# KiCad board GSTrackerOrderFile.kicad_pcb (continued)
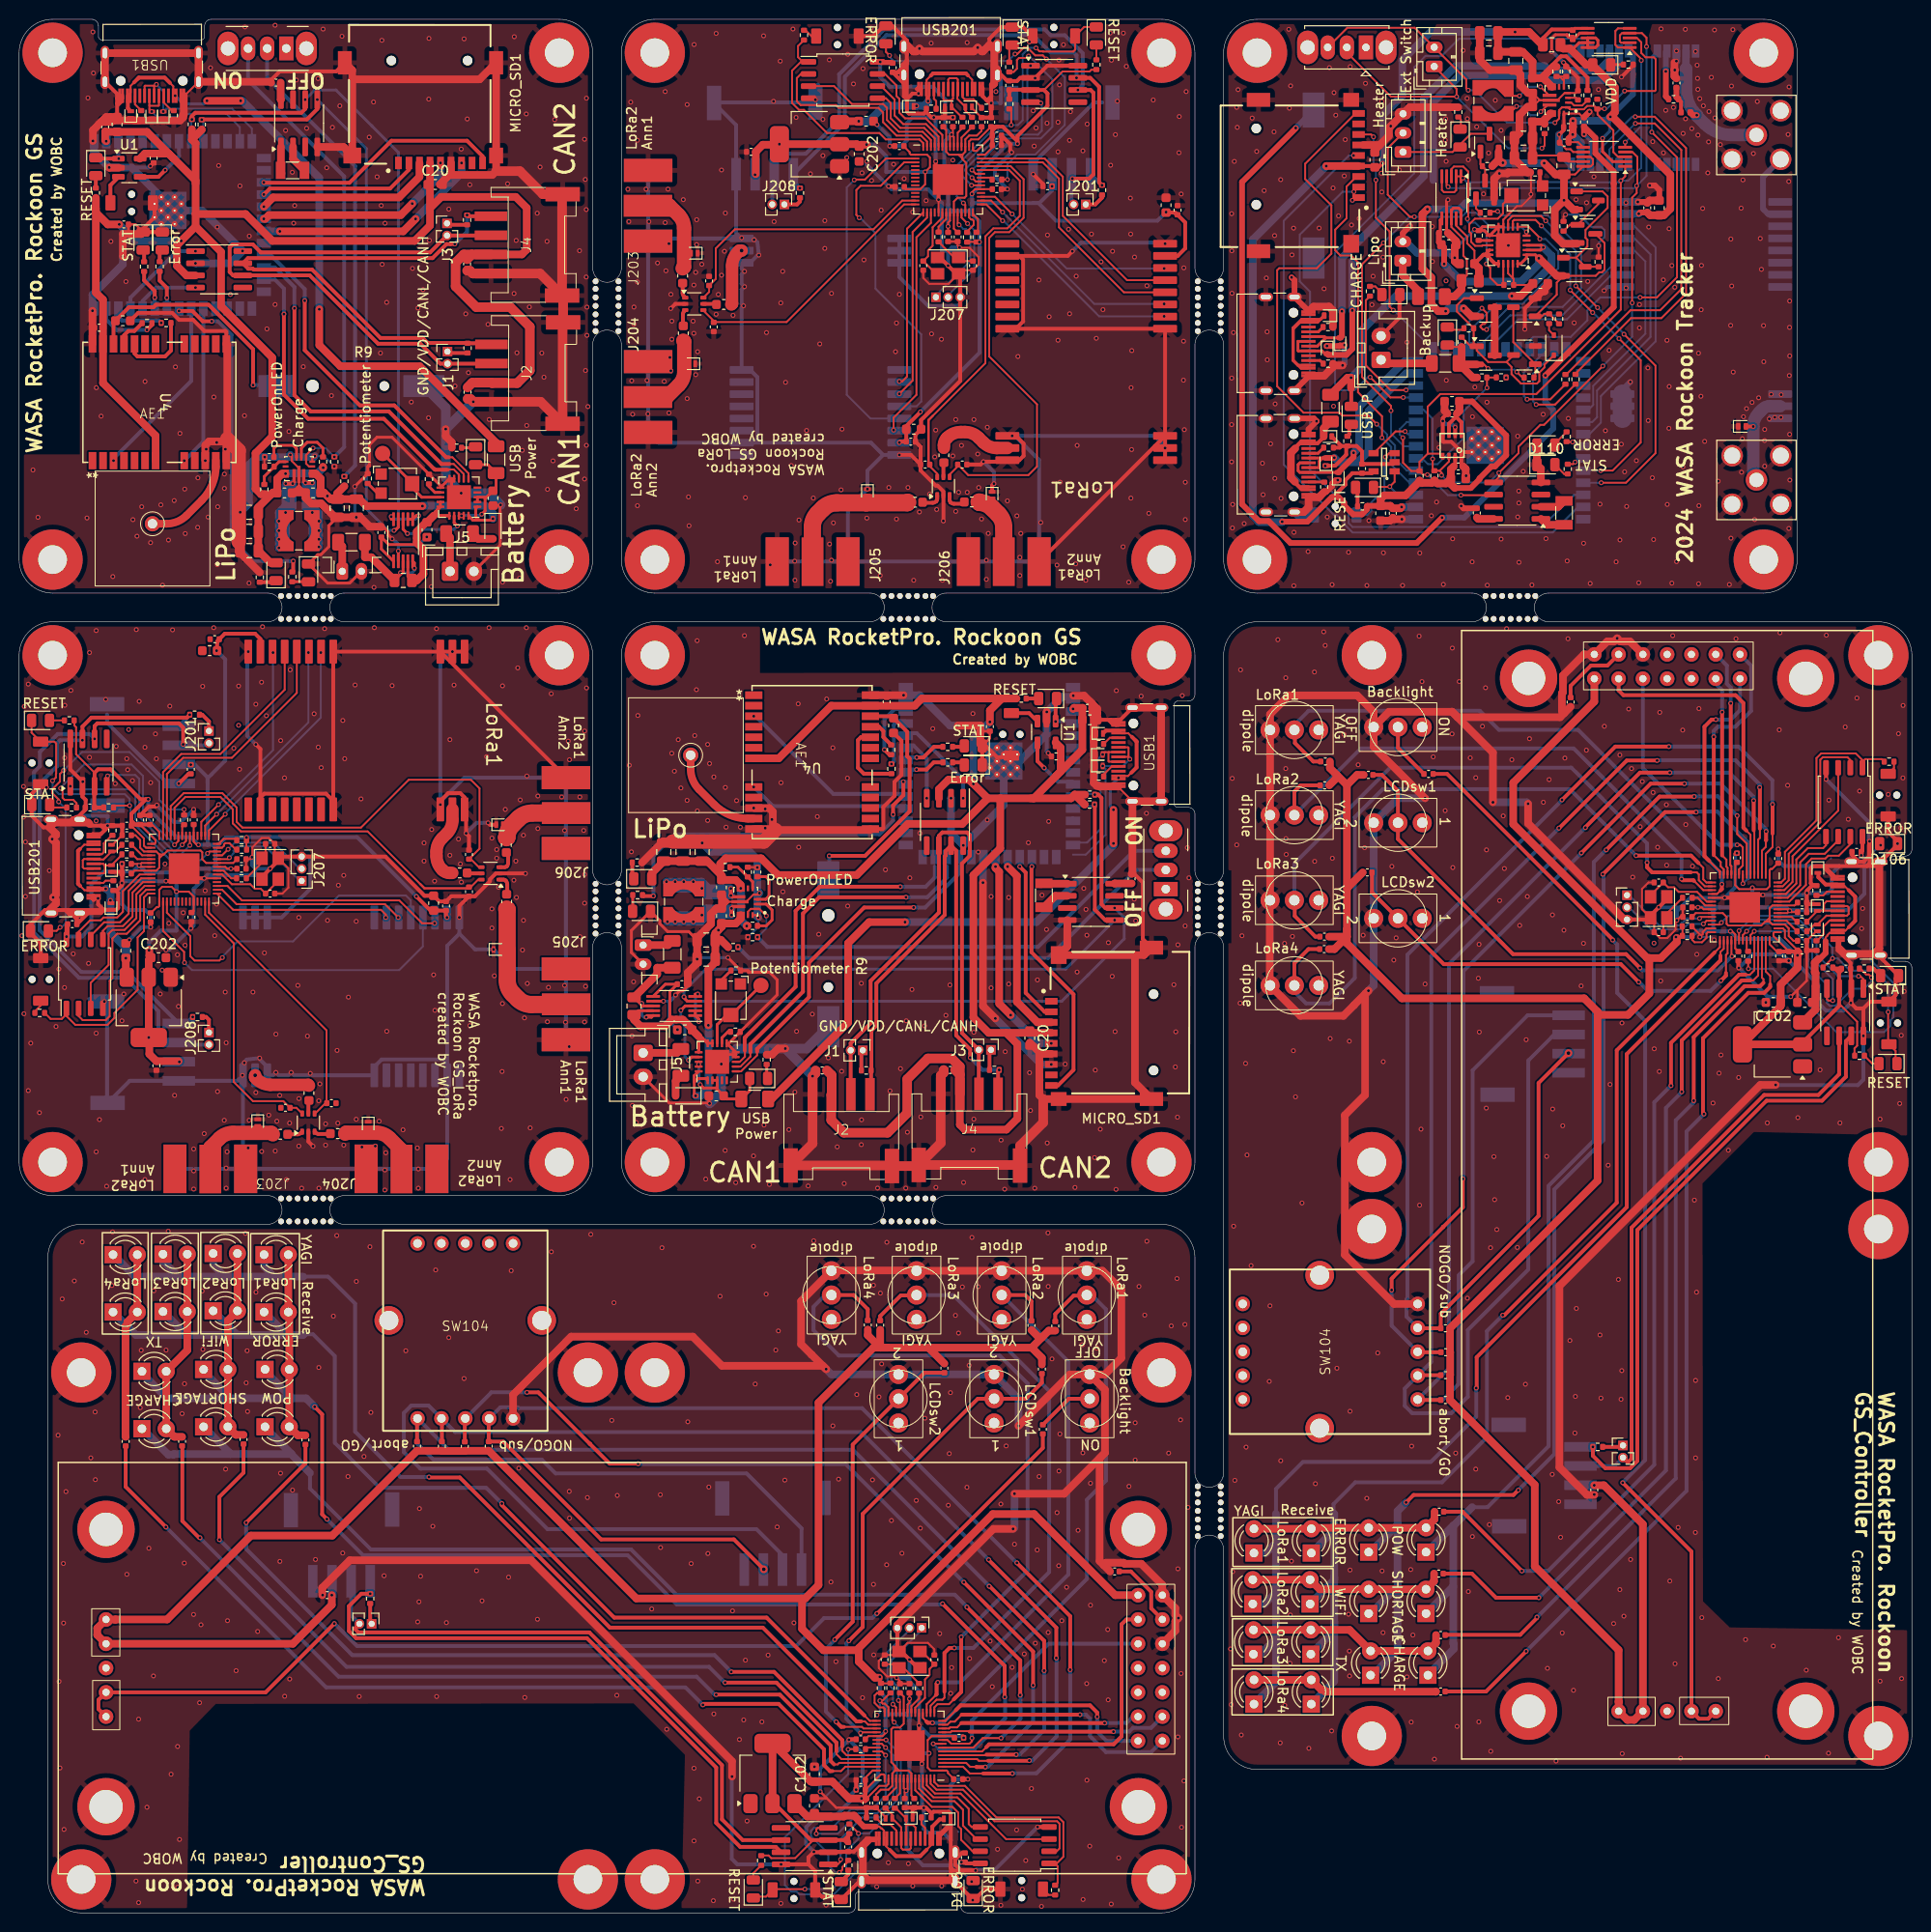
[diagram p0: board, top side]
## Routing (per net, layer and track width the routed paths; a pad name or vN(x,y) marks a point on that pad's centre or on a via; arc(x,y) is an arc through that point) (continued)
  Bottom w0.6: U103#3.13 182.97,177.63 182.43,178.17 182.43,181.52 J102.2 ; U103#3.3 167.72,159.26 v1(168.54,160.08) ; v1(138.66,163.94) 138.66,162.02 v1(138.45,161.81)
  Bottom w0.8: v1(77.33,104.07) 77.23,104.17 77.23,106.85 ; v1(84.42,56.85) 84.98,56.3 SW109#2.3 SW110#2.3 104.55,53.74 v1(104.55,50.93) ; v1(147.08,116.55) 144.26,116.55 SW110.3 SW109.3 141.7,96.97 v1(141.15,96.43) ; U103#3.11 168.02,178.9 v1(168.09,178.83) 168.16,178.9 v1(169.33,178.9) ; 77.23,106.85 v1(77.23,109.31) 77.23,110.15 76.42,110.95 72.38,110.95 v1(71.45,111.88) ; 77.23,106.85 v1(77.45,106.63) ; U106.1 144.66,145.73 v1(144.65,145.72) ; U3#2.40 7.84,167.69 v1(7.67,167.53) 7.67,169.2 10.85,172.38 v1(10.85,173.2) ; v1(104.12,43.82) 104.12,40.3 v1(103.98,40.15) ; U104#3.24 161.1,184.11 v1(161.1,185.94) ; v1(107.98,88.72) 106.93,88.72 v1(102.12,93.53) ; 100.87,109.4 100.83,109.36 v1(100.83,107.72) ; v1(23.12,146.45) 24.05,147.38 24.05,151.43 24.85,152.22 v1(25.69,152.22) 28.14,152.22 ; 28.14,152.22 30.83,152.22 v1(30.93,152.33) ; 28.14,152.22 v1(28.37,152.45) ; U3#2.41 11.76,182.5 v1(9.42,182.5) 7.84,184.08 U3#2.1 ; v1(157.85,115.97) 157.7,116.12 v1(154.17,116.12) ; v1(98.2,124.15) 97.38,124.15 94.2,127.32 v1(92.52,127.32) 92.69,127.16 92.75,127.16 ; v1(97.49,116.55) 97.48,116.54 97.48,112.93 v1(98.77,111.62) 103,115.85 103,119.44 ; U3#2.41 19.15,178 v1(23.38,173.78) 22.08,172.47 18.46,172.47 v1(18.45,172.49) ; v1(150.18,173.06) 149.66,173.58 147.28,173.58 147.27,173.57 146.24,173.57 145.07,174.74 144.75,174.74 ; USB102.S1 133.75,146.16 135.46,146.16 ; 104.4,120.14 107.5,123.24 v1(107.5,125.57) 109.09,127.16 110.25,127.16 ; v1(173.37,193.63) v1(173.37,194.68)
  Bottom w1: v1(47.51,158) 47.48,158 v1(44.62,155.15) ; v1(44.62,155.15) 44.62,157.37 BT1#2.2 ; v1(44.62,155.15) 44.62,150.07 v1(46.25,148.45) 49.14,148.45 v1(50.37,147.22) ; v1(80.15,90.38) 83,87.52 v1(83,87.49) ; v1(80.15,90.38) 75.07,90.38 v1(73.45,88.75) 73.45,85.85 v1(72.23,84.63) ; v1(80.15,90.38) 82.37,90.38 BT1.2
  Bottom w2: U103#3.1 U103#3.2 U103#3.3
  vias: v1(0.29,102.18) v1(0.53,126.14) v1(0.46,117.78) v1(0.46,114.58) v1(0.5,94.01) v1(0.66,111.98) v1(0.66,106.28) v1(0.96,128.48) v1(0.96,85.98) v1(1.21,90.94) v1(1.45,150.88) v1(1.98,145.93) v1(2.12,83.68) v1(2.86,117.68) v1(3.16,108.98) v1(3.86,92.68) v1(4.08,49.95) v1(4.16,98.68) v1(4.17,24.2) v1(4.27,15.15) v1(4.51,64.19) v1(4.63,36.53) v1(4.65,30.3) v1(4.74,96.75) v1(4.7,8.72) v1(4.78,126.26) v1(4.76,120.78) v1(4.9,44.05) v1(5.42,127.82) v1(5.66,100.28) v1(5.77,66.07) v1(6.6,70.15) v1(7.02,60.7) v1(7.1,145.85) v1(7.2,189.78) v1(7.26,99.28) v1(7.36,131.78) v1(7.36,120.83) v1(7.5,47.57) v1(7.73,196.68) v1(7.77,192.38) v1(7.95,52.38) v1(7.98,45.3) v1(8.08,159.47) v1(8.06,134.08) v1(8.06,91.98) v1(8.06,79.58) v1(8.4,82.95) v1(8.58,156.5) v1(9.06,126.88) v1(9.16,75.98) v1(9.6,174.78) v1(9.7,65.6) v1(9.8,139.72) v1(9.77,71.2) v1(10.06,118.08) v1(10.16,121.98) v1(10.76,93.28) v1(10.96,96.08) v1(11.17,170.57) v1(11.26,120.68) v1(11.27,35.4) v1(11.36,119.53) v1(11.9,145.68) v1(11.86,118.38) v1(12.23,3.32) v1(12.33,143.95) v1(12.26,134.18) v1(12.5,20.25) v1(12.5,1.07) v1(12.56,126.68) v1(12.67,52.82) v1(12.83,147.03) v1(12.77,58.82) v1(13.17,160.12) v1(13.16,121.88) v1(13.16,76.68) v1(13.38,11.05) v1(13.58,38.12) v1(13.75,143.28) v1(13.76,118.18) v1(14.05,24.78) v1(14.1,65.05) v1(14.26,123.28) v1(14.36,120.68) v1(14.83,147.22) v1(14.76,96.08) v1(15,138.82) v1(14.96,98.58) v1(15.26,109.68) v1(15.38,58.85) v1(15.62,143.55) v1(15.6,71.28) v1(15.66,103.48) v1(15.76,126.18) v1(15.9,14.5) v1(16.04,134.15) v1(16.23,147.68) v1(16.26,85.48) v1(16.35,161.65) v1(16.56,100.18) v1(16.58,17.4) v1(16.58,2.68) v1(16.66,94.78) v1(16.83,154.7) v1(16.77,7.68) v1(17.05,52.2) v1(17.16,104.58) v1(17.33,148.88) v1(17.3,55.32) v1(17.27,36.57) v1(17.38,144.22) v1(17.36,101.18) v1(18.26,79.88) v1(18.26,75.68) v1(18.25,31.2) v1(18.7,150.05) v1(18.67,144.88) v1(18.88,21.97) v1(19.02,30.12) v1(19.15,65.03) v1(19.2,128.25) v1(19.23,58.93) v1(19.36,81.48) v1(19.46,106.88) v1(19.58,153.05) v1(19.77,145.95) v1(20.02,192.93) v1(20.38,158.5) v1(20.36,134.38) v1(20.46,102.18) v1(20.73,176.28) v1(20.67,153.75) v1(20.73,140.97) v1(20.66,105.48) v1(20.77,147.03) v1(20.76,85.88) v1(20.88,182.7) v1(21.48,150.45) v1(21.48,148.95) v1(21.46,82.88) v1(21.58,153.05) v1(21.56,96.28) v1(21.6,46.4) v1(21.66,90.98) v1(21.66,75.78) v1(21.76,79.58) v1(21.8,30.55) v1(22.46,121.78) v1(22.7,25.32) v1(22.96,128.28) v1(23.1,180.57) v1(23.06,119.58) v1(23.62,197.2) v1(23.58,156.55) v1(23.67,71.05) v1(23.75,55.43) v1(23.85,58.78) v1(23.9,52.43) v1(24.05,139.05) v1(23.96,79.98) v1(24.08,175.32) v1(24.06,82.88) v1(24.46,96.28) v1(24.76,126.38) v1(24.76,85.78) v1(24.77,64.9) v1(24.95,29.43) v1(25.36,128.68) v1(25.37,79.62) v1(25.46,134.48) v1(25.66,100.38) v1(25.92,165.62) v1(25.86,125.18) v1(26.12,83.41) v1(26.77,197.38) v1(26.77,168.18) v1(26.79,79.66) v1(26.86,91.88) v1(26.96,82.78) v1(27.26,85.48) v1(27.27,36.75) v1(27.36,122.58) v1(27.35,45.97) v1(27.76,118.68) v1(27.77,22.65) v1(27.88,186.38) v1(27.96,76.68) v1(28.23,154.9) v1(28.29,82.59) v1(28.3,24.45) v1(28.36,129.98) v1(28.58,182) v1(28.6,44.2) v1(28.73,176.68) v1(28.83,178.53) v1(29,191.65) v1(29.16,96.98) v1(29.26,104.08) v1(29.27,85.14) v1(29.26,80.18) v1(29.56,75.78) v1(29.73,161.68) v1(30.08,186.6) v1(30.16,91.68) v1(30.86,125.38) v1(31,36.95) v1(31.27,191.8) v1(31.29,121.89) v1(31.34,84.91) v1(31.36,75.78) v1(31.35,57.03) v1(31.46,86.68) v1(31.6,119.75) v1(31.8,196.97) v1(31.96,134.28) v1(32.06,82.5) v1(32.06,80.28) v1(32.17,182.47) v1(32.26,103.78) v1(32.67,158.65) v1(32.77,186.7) v1(32.88,62.4) v1(33.23,70.82) v1(33.26,90.18) v1(33.34,82.59) v1(33.39,107.45) v1(33.55,188.95) v1(33.77,196.22) v1(33.86,124.68) v1(33.85,37.62) v1(33.96,108.48) v1(33.96,80.28) v1(34.06,120.68) v1(34.44,95.75) v1(34.4,45.62) v1(35.14,128.39) v1(35.26,103.68) v1(35.26,82.98) v1(35.27,66.03) v1(35.58,22.62) v1(35.76,116.48) v1(35.86,80.08) v1(36.08,47.72) v1(36.62,185.68) v1(36.7,69.65) v1(36.8,52.32) v1(37.08,189.35) v1(37.12,138.6) v1(37.16,134.38) v1(37.26,80.18) v1(37.45,181.53) v1(37.66,82.78) v1(37.8,163.1) v1(37.88,178.53) v1(37.95,195.8) v1(37.98,172.38) v1(38.17,35.25) v1(38.27,176.68) v1(38.26,75.58) v1(38.36,79.48) v1(38.45,168.4) v1(38.46,92.18) v1(39.02,128.32) v1(40.16,81.88) v1(40.45,58.78) v1(41.02,157.97) v1(41.15,171.95) v1(41.73,167.8) v1(41.66,79.98) v1(41.7,30.43) v1(41.76,75.78) v1(41.83,32.53) v1(41.88,42.28) v1(42,35.2) v1(42.25,169.72) v1(42.36,111.88) v1(42.36,109.98) v1(42.83,156.32) v1(42.88,196) v1(42.85,189.65) v1(42.92,174.88) v1(43.12,138.68) v1(43.16,113.28) v1(43.27,40.43) v1(43.36,98.08) v1(43.46,107.88) v1(43.49,94.38) v1(43.58,67.22) v1(43.66,134.28) v1(43.67,22.62) v1(44.7,30.35) v1(44.95,178.15) v1(44.95,60.15) v1(45.06,122.68) v1(45.06,110.58) v1(45.49,128.38) v1(45.6,159.65) v1(45.96,112.28) v1(46.16,109.68) v1(46.25,184.43) v1(46.26,107.78) v1(46.55,195.95) v1(46.55,55.88) v1(46.73,167.2) v1(46.88,187.57) v1(47,161.05) v1(47.15,180.7) v1(47.16,92.78) v1(47.32,76.45) v1(47.85,35.78) v1(48.42,32.62) v1(48.9,120.9) v1(49.05,166.1) v1(49.17,156.15) v1(49.16,134.38) v1(49.46,112.38) v1(49.46,104.98) v1(49.46,102.98) v1(49.71,97.98) v1(49.77,124.82) v1(49.96,111.18) v1(49.96,110.28) v1(50.15,107.25) v1(50.45,82.02) v1(50.52,87.97) v1(50.58,139.15) v1(50.57,128.3) v1(50.56,95.08) v1(50.86,115.38) v1(51.1,180.8) v1(51.2,35.1) v1(51.36,76.68) v1(51.48,67.15) v1(51.8,196.18) v1(51.77,169.32) v1(51.76,107.98) v1(51.88,141.93) v1(52,174.88) v1(51.96,109.98) v1(52.02,106.18) v1(52.08,163.12) v1(52.16,130.18) v1(52.27,46.5) v1(52.35,139.55) v1(52.42,116.38) v1(52.62,152.93) v1(52.6,145.97) v1(52.66,100.68) v1(52.75,112.68) v1(52.76,103.78) v1(52.86,93.58) v1(52.9,22.53) v1(53.05,188.1) v1(53.1,155.53) v1(53.06,134.38) v1(53.12,118.88) v1(53.16,97.18) v1(53.38,167.93) v1(53.46,82.08) v1(54.2,177.72) v1(54.23,30.7) v1(54.26,116.78) v1(54.26,113.38) v1(54.5,182.55) v1(54.67,163.1) v1(54.9,160.57) v1(55.23,174.78) v1(55.27,148.85) v1(55.26,93.18) v1(55.37,96.78) v1(55.66,127.48) v1(55.67,69.12) v1(55.85,151.82) v1(56.02,187.5) v1(56.76,116.68) v1(57.06,113.18) v1(57.06,96.98) v1(57.16,93.13) v1(57.22,85.05) v1(57.44,122.53) v1(57.54,90.57) v1(57.55,44.07) v1(57.57,120.57) v1(57.58,41.28) v1(58.27,146.82) v1(58.62,173.8) v1(58.66,116.68) v1(58.66,102.08) v1(59.15,185.45) v1(59.15,149.93) v1(59.06,113.18) v1(59.23,181.25) v1(59.16,123.58) v1(59.16,108.58) v1(59.16,105.58) v1(59.15,93.16) v1(59.33,178.1) v1(59.33,171.05) v1(59.25,161.28) v1(59.26,96.88) v1(59.35,189.75) v1(59.4,167.9) v1(59.4,164.95) v1(59.35,153.45) v1(59.36,128.08) v1(59.5,157.5) v1(59.45,43.43) v1(59.8,70.95) v1(62,51.5) v1(62.23,63.8) v1(62.52,22.75) v1(62.58,43.65) v1(63.68,180.24) v1(63.78,176.84) v1(63.83,120) v1(63.98,189.34) v1(64.05,110.95) v1(64.08,160.2) v1(64.11,91.7) v1(64.15,84.43) v1(64.18,156.7) v1(64.32,167.91) v1(64.32,166.11) v1(64.28,97.36) v1(64.45,151.18) v1(64.55,82.65) v1(64.68,185.34) v1(64.68,170.54) v1(64.68,147.14) v1(64.73,125.2) v1(65.98,114.28) v1(66.17,31.78) v1(66.78,172.52) v1(66.92,83.12) v1(67.08,43.72) v1(67.1,38.2) v1(67.25,69.55) v1(67.48,160.14) v1(67.58,190.44) v1(67.58,176.74) v1(67.66,171.71) v1(67.75,19.2) v1(67.88,180.24) v1(67.98,174.54) v1(67.98,156.84) v1(68.08,162.64) v1(68.18,169.24) v1(68.18,161.24) v1(68.28,166.44) v1(68.28,164.54) v1(68.27,121.25) v1(68.55,119.38) v1(68.95,122.68) v1(69.23,117.62) v1(69.48,179.14) v1(69.88,189.08) v1(69.88,158.34) v1(69.88,116.32) v1(70.02,148.05) v1(69.95,51.35) v1(70.08,145.04) v1(70.3,36.53) v1(70.5,166.44) v1(70.61,195.36) v1(70.59,170.21) v1(70.59,165.16) v1(70.6,15.12) v1(70.6,7.53) v1(70.67,123.1) v1(70.78,171.54) v1(70.78,160.84) v1(70.88,177.04) v1(70.88,174.44) v1(70.92,133.03) v1(70.85,127.9) v1(70.98,163.24) v1(70.95,115.22) v1(70.98,82.4) v1(71,3.32) v1(71.15,11.93) v1(71.41,172.38) v1(71.83,76.72) v1(72.02,122.18) v1(72.02,114.22) v1(72.05,37.57) v1(72.15,44.53) v1(72.23,120.18) v1(72.62,1.28) v1(72.67,118.78) v1(72.67,20.8) v1(72.92,196.52) v1(72.91,167.16) v1(73.05,141.28) v1(73.14,169.23) v1(73.33,64.47) v1(73.48,182.24) v1(73.48,171.24) v1(73.78,173.74) v1(73.88,177.74) v1(73.88,117.68) v1(73.85,79.72) v1(73.95,113.53) v1(74.62,31.57) v1(74.68,167.04) v1(74.75,1.43) v1(75.05,116.3) v1(74.96,76.36) v1(75.35,18.12) v1(75.45,113.53) v1(75.8,20.18) v1(75.88,133.55) v1(75.98,147.98) v1(75.98,26.42) v1(76.15,9.6) v1(76.83,79.15) v1(76.83,69.7) v1(77,55.3) v1(77.7,19.97) v1(77.88,196.27) v1(77.92,82.38) v1(78.05,115.43) v1(78.05,113.43) v1(78.15,64.7) v1(78.18,165.24) v1(78.35,26.95) v1(78.49,76.16) v1(78.58,140.96) v1(78.75,114.33) v1(78.92,189.42) v1(78.98,176.84) v1(79.15,58.85) v1(79.3,40.35) v1(79.42,60.85) v1(79.62,193.62) v1(79.68,168.34) v1(79.7,118.18) v1(79.69,0.99) v1(79.88,171.64) v1(79.9,106.78) v1(80.1,45.25) v1(80.18,160.04) v1(80.52,81.9) v1(80.78,151.34) v1(80.95,196.98) v1(81.05,30.32) v1(81.13,141.34) v1(81.15,85.82) v1(81.18,143.24) v1(81.16,139.35) v1(81.28,187.74) v1(81.33,92.18) v1(81.5,126.43) v1(81.55,111.43) v1(81.58,145.64) v1(82.38,155.01) v1(82.53,76.01) v1(82.78,181.84) v1(82.98,93.97) v1(83.08,147.94) v1(83.12,70.28) v1(83.5,114.62) v1(83.65,102.32) v1(83.75,164.06) v1(84.08,187.54) v1(84.08,183.74) v1(84.28,176.94) v1(84.28,174.04) v1(84.42,0.81) v1(84.48,126.93) v1(84.65,89.4) v1(84.75,193.76) v1(84.77,143.13) v1(84.88,139.24) v1(84.92,34.6) v1(84.98,169.34) v1(84.98,141.44) v1(85.12,121.82) v1(85.12,50.93) v1(85.18,145.34) v1(85.45,26.28) v1(85.58,80.1) v1(85.73,45.35) v1(85.98,148.79) v1(86.05,88) v1(86.08,155.14) v1(86.31,76.26) v1(86.58,183.54) v1(86.65,118.65) v1(86.68,194.34) v1(86.67,105.28) v1(87.28,191.24) v1(87.62,54.2) v1(88.1,97.2) v1(88.12,82.93) v1(88.1,80.32) v1(88.18,181.94) v1(88.23,22.5) v1(88.28,192.84) v1(88.38,172.84) v1(88.68,145.84) v1(89.11,197.07) v1(89.18,181.14) v1(89.27,45.28) v1(89.38,65.62) v1(89.38,34.35) v1(89.4,26.97) v1(89.71,2.74) v1(89.8,75.78) v1(89.95,53.95) v1(90.08,139.84) v1(90.1,64.8) v1(90.18,178.04) v1(90.23,57.4) v1(90.62,109.07) v1(90.75,36.4) v1(90.77,70.12) v1(90.92,5.25) v1(90.98,149.04) v1(91.1,85.95) v1(91.25,41.03) v1(91.48,182.84) v1(91.68,163.24) v1(91.78,166.24) v1(91.78,145.74) v1(92.08,169.24) v1(92.2,88.28) v1(92.35,37.6) v1(92.58,181.34) v1(92.75,75.78) v1(92.8,93.28) v1(92.92,81.62) v1(92.98,149.04) v1(93.02,5.15) v1(93.17,108.22) v1(93.4,96.55) v1(93.48,177.84) v1(93.49,2.81) v1(93.58,139.34) v1(93.85,43.12) v1(94.17,146.48) v1(94.23,112.9) v1(94.33,83.22) v1(94.27,40.22) v1(94.73,92.75) v1(94.75,51.72) v1(94.88,179.04) v1(95.25,148.35) v1(95.41,195.5) v1(95.45,165.11) v1(95.58,123.82) v1(95.78,152.24) v1(95.88,155.04) v1(95.9,75.86) v1(95.98,146.74) v1(96.3,29.2) v1(96.48,164.54) v1(96.51,2.81) v1(96.58,139.34) v1(96.95,93.85) v1(97.2,42.62) v1(97.3,48.03) v1(97.38,97.03) v1(97.42,54.4) v1(97.55,25.65) v1(97.45,22.95) v1(97.68,183.27) v1(97.68,152.34) v1(97.98,156.14) v1(97.98,146.54) v1(97.95,62.47) v1(98.28,148.54) v1(98.27,60.62) v1(98.58,153.44) v1(98.67,65.45) v1(98.8,76.38) v1(99.15,44.5) v1(99.17,195.56) v1(99.18,148.54) v1(99.38,57.25) v1(99.42,26.6) v1(99.67,70.62) v1(99.77,125.4) v1(99.77,79.78) v1(99.76,1.34) v1(99.88,156.14) v1(99.88,92.07) v1(99.88,83) v1(100.28,152.54) v1(100.33,110.93) v1(100.33,65.47) v1(100.38,149.04) v1(100.68,145.75) v1(101.18,141.44) v1(101.18,139.44) v1(101.28,155.34) v1(101.27,114.28) v1(101.38,144.24) v1(101.58,28.43) v1(101.67,106.28) v1(101.67,96.72) v1(101.8,23.65) v1(102.35,6.65) v1(102.73,80.8) v1(102.7,42.75) v1(102.7,0.79) v1(103.15,90.05) v1(103.1,75.68) v1(103.25,48.82) v1(103.38,147.64) v1(103.52,106.18) v1(103.52,97.12) v1(103.88,25.68) v1(104.12,38.55) v1(104.38,146.08) v1(104.35,8.68) v1(104.48,162.74) v1(104.68,141.74) v1(104.68,139.84) v1(104.78,144.24) v1(104.95,2.47) v1(105.15,27.07) v1(105.3,5.47) v1(105.58,111.9) v1(105.68,195.64) v1(105.7,87.85) v1(105.8,83.9) v1(105.9,13) v1(106.08,188.44) v1(106.18,184.74) v1(106.25,75.78) v1(106.3,28.2) v1(106.38,186.64) v1(106.52,97.55) v1(106.5,37.95) v1(106.68,170.74) v1(106.7,45.62) v1(106.88,145.38) v1(107,106.43) v1(106.95,0.68) v1(107.53,187.14) v1(107.48,102.82) v1(107.55,80.5) v1(107.58,175.44) v1(107.62,71.1) v1(107.65,65.5) v1(107.65,29.32) v1(107.75,166.9) v1(107.7,114.12) v1(108.05,57.93) v1(108.58,140.93) v1(108.58,41.85) v1(108.68,187.24) v1(108.68,184.14) v1(108.68,164.44) v1(108.75,36.3) v1(108.78,193.74) v1(108.83,191.14) v1(108.77,46.2) v1(108.9,149.6) v1(108.88,50.07) v1(109.08,30.55) v1(109.25,195.34) v1(109.42,88.75) v1(109.58,34.05) v1(109.78,176.04) v1(109.88,185.34) v1(109.89,167.21) v1(109.98,188.34) v1(110.52,141.06) v1(110.45,75.85) v1(110.58,171.14) v1(110.68,153.44) v1(110.67,98.38) v1(110.77,40) v1(111.23,59.4) v1(111.28,184.24) v1(111.27,48.1) v1(111.3,1.4) v1(111.38,107.12) v1(111.58,139.34) v1(111.6,104.93) v1(111.73,187.04) v1(111.7,102.22) v1(111.67,23.97) v1(111.7,13.88) v1(112,6.97) v1(112.08,44.93) v1(112.08,32.18) v1(112.18,175.54) v1(112.5,78.97) v1(112.58,88.12) v1(112.68,164.64) v1(112.73,59.05) v1(112.83,148.72) v1(113.1,81.95) v1(113.18,172.64) v1(113.38,167.64) v1(113.52,26.38) v1(113.88,29.62) v1(113.92,22.28) v1(113.95,101.45) v1(114.14,196.56) v1(114.18,182.74) v1(114.26,193.72) v1(114.25,0.93) v1(114.38,173.74) v1(114.35,97.93) v1(114.65,92.15) v1(114.68,185.94) v1(114.75,75.65) v1(114.77,127.8) v1(114.88,189.44) v1(115.02,5.75) v1(115.51,196.55) v1(115.48,142.84) v1(115.83,193.08) v1(116.08,139.14) v1(116.1,44.6) v1(116.25,179.3) v1(116.28,175.54) v1(116.33,159.48) v1(116.3,147.93) v1(116.39,163.36) v1(116.38,153.01) v1(116.65,106) v1(116.68,173.14) v1(116.75,51.25) v1(116.75,47.35) v1(116.8,103.72) v1(117.15,65.5) v1(117.38,127.22) v1(117.75,62.5) v1(117.92,114.97) v1(117.98,170.14) v1(117.98,70.22) v1(118.18,146.34) v1(118.64,189.56) v1(120.25,48.07) v1(120.52,61.38) v1(120.8,97.05) v1(121,92.12) v1(120.95,88.45) v1(121.12,66.32) v1(121.23,101.22) v1(121.17,83.2) v1(121.23,35.97) v1(121.23,18.4) v1(121.33,184.05) v1(121.36,187.83) v1(121.5,51.55) v1(121.55,25.03) v1(121.56,179.73) v1(121.6,8.95) v1(121.67,127.28) v1(121.84,172.01) v1(121.81,164.34) v1(121.8,160.26) v1(121.89,155.09) v1(121.85,13.8) v1(121.99,149.59) v1(121.99,145.69) v1(121.98,103.2) v1(121.95,61.53) v1(122.08,190.44) v1(122.2,111.38) v1(122.27,42.4) v1(122.38,108.22) v1(126.73,27.6) v1(126.84,177.67) v1(126.84,155.62) v1(126.84,151.72) v1(126.8,21.78) v1(126.86,173.79) v1(126.88,169.35) v1(126.85,160.48) v1(126.92,144.81) v1(126.9,118.62) v1(127.03,165.24) v1(126.95,147.27) v1(127.05,71.8) v1(126.95,35.68) v1(127.12,183.14) v1(127.17,45.22) v1(127.37,188.79) v1(127.43,186.7) v1(127.38,111.68) v1(127.51,190.64) v1(127.73,95.12) v1(127.77,129.97) v1(127.92,102.17) v1(127.85,18.6) v1(128.15,145.27) v1(128.3,88.82) v1(128.35,48.7) v1(128.45,79.25) v1(128.88,67.68) v1(128.99,187.67) v1(129.46,184.18) v1(130.06,151.58) v1(130.13,148.29) v1(130.24,180.08) v1(130.47,170.95) v1(130.55,165.32) v1(130.57,162.39) v1(130.77,55.57) v1(130.92,153.61) v1(130.85,63.47) v1(131.28,186.23) v1(131.33,175.38) v1(131.39,157.78) v1(131.36,149.99) v1(131.67,133.12) v1(131.92,17.78) v1(131.97,181.23) v1(132.01,147.91) v1(131.98,47.28) v1(132.38,101.38) v1(132.4,21.7) v1(132.5,129.15) v1(132.5,119.65) v1(132.52,112.32) v1(132.55,110.68) v1(132.82,196.95) v1(132.88,188.7) v1(133.01,191.04) v1(132.98,31.15) v1(132.95,26.1) v1(133.15,173.36) v1(133.1,36.78) v1(133.2,102.1) v1(133.32,176.16) v1(133.3,90.15) v1(133.36,144.36) v1(133.35,138.77) v1(133.52,85.32) v1(134.2,74.22) v1(134.84,142.34) v1(134.92,17.21) v1(135.5,129.75) v1(135.52,109.95) v1(135.6,44.88) v1(135.99,176.17) v1(136.51,169.82) v1(136.48,133.95) v1(136.62,132.53) v1(136.84,145.95) v1(137.07,192.94) v1(137.15,91.43) v1(137.3,19.03) v1(137.35,138.88) v1(137.38,110.28) v1(137.55,190.33) v1(137.45,180.36) v1(137.73,187.97) v1(137.85,56.95) v1(138.02,177.44) v1(138.62,181.62) v1(138.6,123.22) v1(138.72,185.42) v1(138.95,124.72) v1(139.07,142.27) v1(139.15,91.15) v1(139.08,31.22) v1(139.15,27.38) v1(139.24,193.05) v1(139.23,52.45) v1(139.23,35.85) v1(139.17,24.78) v1(139.38,176.49) v1(140.08,120.05) v1(140.18,177.16) v1(140.6,102.22) v1(140.75,111.38) v1(140.84,191.3) v1(140.99,138.8) v1(140.98,43.35) v1(141.2,145.58) v1(141.52,168.15) v1(141.64,171.13) v1(142.12,58.55) v1(142.55,189.41) v1(142.49,181.9) v1(142.55,179.94) v1(142.58,35.75) v1(142.67,173.12) v1(142.72,142.21) v1(142.7,89) v1(142.67,29.3) v1(143.6,109.43) v1(143.8,99.62) v1(144.05,101.95) v1(144.37,182.25) v1(144.72,138.8) v1(145.19,164.23) v1(145.17,24.68) v1(145.58,35.9) v1(145.62,19.95) v1(145.67,48.8) v1(145.8,29.05) v1(146.27,106.75) v1(146.52,142.19) v1(146.45,133.5) v1(146.5,74) v1(146.65,81.95) v1(146.75,128.75) v1(147.08,97.12) v1(147.73,146.09) v1(147.83,176.33) v1(147.85,172.68) v1(147.92,120.88) v1(148.05,16.07) v1(148.28,147.52) v1(148.53,153.22) v1(148.99,138.91) v1(149.23,187.59) v1(149.19,185.36) v1(149.17,115.25) v1(149.28,183.15) v1(149.3,160.25) v1(149.92,132.25) v1(149.9,123.28) v1(149.96,143.68) v1(149.98,109.3) v1(150.27,48.07) v1(150.42,19.5) v1(150.65,128.75) v1(151.05,194.74) v1(151.47,189.73) v1(151.5,187.6) v1(151.5,64.28) v1(151.6,183.31) v1(151.6,33.6) v1(151.8,120.78) v1(152.03,156.44) v1(152,141.27) v1(152.02,39.35) v1(152.28,159.54) v1(152.38,118.7) v1(152.38,46.4) v1(152.47,186.76) v1(152.65,97.72) v1(152.73,101.28) v1(152.75,92.1) v1(152.7,19.97) v1(153.08,124.07) v1(153.19,179.74) v1(153.4,128.1) v1(153.55,157.96) v1(153.5,111.15) v1(153.48,84.15) v1(153.58,138.83) v1(153.72,184.02) v1(153.8,40.6) v1(153.92,69.55) v1(153.95,16.9) v1(154.27,79.07) v1(154.42,189.53) v1(154.35,74.57) v1(154.58,71.45) v1(154.88,105.85) v1(155.03,186.39) v1(155.03,143.65) v1(155.25,114.7) v1(155.38,109.2) v1(155.56,160.53) v1(155.6,134.28) v1(155.73,53.88) v1(156.15,120.57) v1(156.73,69.57) v1(156.76,154.41) v1(156.77,145.96) v1(156.88,148.67) v1(156.89,147.42) v1(156.9,141.22) v1(156.98,103.25) v1(157.34,150.73) v1(157.65,91.3) v1(157.58,55.28) v1(157.77,106.28) v1(158,122.78) v1(158.25,138.85) v1(159.43,156.69) v1(159.45,116.12) v1(159.72,143.7) v1(159.8,79.1) v1(159.88,25.57) v1(160.05,118.5) v1(160.4,104.35) v1(160.42,84.05) v1(160.38,45.85) v1(160.77,15.88) v1(161.05,43) v1(161.25,39.28) v1(161.42,29.28) v1(161.48,82.3) v1(161.6,102.75) v1(161.7,120.75) v1(161.94,141.36) v1(162.02,133.22) v1(162.06,156.27) v1(162.23,59.85) v1(162.6,23.28) v1(162.67,166.26) v1(162.75,50.18) v1(162.8,54) v1(162.87,179.14) v1(162.9,63.2) v1(163.4,96.93) v1(163.65,101.38) v1(163.66,143.21) v1(163.97,178.82) v1(163.95,121.57) v1(164.09,170.59) v1(164.35,139.01) v1(164.74,181.53) v1(165.22,190.65) v1(165.38,147.3) v1(165.38,60.43) v1(165.48,53.82) v1(165.83,124.07) v1(165.94,154.98) v1(166.23,78.18) v1(166.33,163.39) v1(166.42,86.62) v1(166.8,30.25) v1(167.06,141.27) v1(167.3,66.22) v1(167.46,143.56) v1(167.45,121.07) v1(167.45,33.8) v1(167.61,153.57) v1(167.65,56.7) v1(167.58,53.7) v1(167.67,93.05) v1(167.7,16.65) v1(167.88,31.03) v1(167.95,150.68) v1(168.16,147.06) v1(168.38,125.88) v1(168.58,36.95) v1(168.67,119.65) v1(168.8,108.3) v1(169.18,151.85) v1(169.43,139.08) v1(169.51,168.17) v1(169.5,165.73) v1(169.58,113.57) v1(169.8,118.3) v1(170.38,161.55) v1(170.42,156.04) v1(170.47,176.27) v1(170.89,185.21) v1(170.85,150.06) v1(170.92,117.15) v1(170.98,143.6) v1(171.05,90.35) v1(171.4,111.43) v1(171.62,125.53) v1(171.58,87.98) v1(171.73,97.45) v1(171.76,197) v1(172.01,184.03) v1(172,170.75) v1(172.25,188.48) v1(172.33,115.88) v1(172.38,164.43) v1(172.41,147.27) v1(172.35,109.55) v1(172.6,176.1) v1(172.61,159.6) v1(172.58,155.23) v1(172.67,34.7) v1(172.89,172.25) v1(172.89,139.04) v1(172.98,133.55) v1(173.06,188.78) v1(173.19,169.98) v1(173.23,26.05) v1(173.38,141.29) v1(173.55,40.3) v1(173.8,16.18) v1(174.05,151.2) v1(174.05,143.65) v1(174.02,123.68) v1(174.07,186.06) v1(174.3,196.95) v1(174.32,187.59) v1(174.35,113.8) v1(174.98,186.57) v1(175.05,109.45) v1(175.25,74.53) v1(175.37,194.63) v1(175.38,55.68) v1(175.38,47.57) v1(175.35,39.78) v1(175.54,193.2) v1(175.5,100.22) v1(175.48,64.9) v1(175.58,191.82) v1(175.61,190.67) v1(175.62,185.89) v1(175.68,163.09) v1(175.72,147.14) v1(175.69,138.97) v1(175.73,125.93) v1(175.81,189.7) v1(175.93,158.58) v1(175.99,172.26) v1(175.96,167.63) v1(176.02,30.88) v1(176.11,178.22) v1(176.19,188.95) v1(176.32,153.86) v1(176.65,181.94) v1(176.73,185.18) v1(176.77,188.35) v1(177.02,191.93) v1(177.2,84.68) v1(177.35,196.88) v1(177.41,187.69) v1(177.74,149.7) v1(177.75,24.5) v1(177.83,87.8) v1(177.96,184.9) v1(178.02,89.7) v1(178.8,79.75) v1(178.91,138.9) v1(179.04,165.99) v1(179.13,191.02) v1(179.06,175.02) v1(179.15,170.11) v1(179.07,143.74) v1(179.27,196.92) v1(179.31,161.11) v1(179.6,133.22) v1(179.88,87.35) v1(180.14,178.25) v1(180.18,150.64) v1(180.33,181.2) v1(180.26,154.14) v1(180.38,156.44) v1(180.6,28.57) v1(180.7,157.29) v1(181.28,157.94) v1(181.42,183.96) v1(181.55,145.69) v1(181.83,189.4) v1(181.97,158.42) v1(182.14,175.08) v1(182.26,171.85) v1(182.48,165.97) v1(182.51,162.19) v1(182.6,155.11) v1(182.59,153.95) v1(182.6,151.27) v1(182.88,82.6) v1(182.85,16.28) v1(183.08,156.22) v1(183.28,158.79) v1(183.5,27.9) v1(183.66,156.38) v1(184.12,123.7) v1(184.2,133.85) v1(184.33,158.75) v1(184.3,156.37) v1(185.05,185.95) v1(185,117.9) v1(185.15,190.92) v1(185.12,181.04) v1(185.13,144.76) v1(185.21,168.54) v1(185.2,165.78) v1(185.22,162.8) v1(185.18,160.75) v1(185.21,154.6) v1(185.23,149.82) v1(186.08,83.15) v1(186.95,25.38) v1(188.4,88.15) v1(189.05,133.6) v1(189.33,116.35) v1(189.27,16.7) v1(190.33,28.78) v1(190.48,82.6) v1(191.02,124) v1(191.35,114.35) v1(192.25,127.03) v1(192.52,117.3) v1(192.75,102.93) v1(192.85,105.03) v1(194.67,83) v1(194.67,24.22) v1(195.33,28.57) v1(195.52,116.95) v1(196.5,111.8) v1(196.6,123.3) v1(196.58,86.75) v1(196.73,84.62) v1(196.85,113.44) v1(196.89,91.76) v1(196.92,24.5) v1(197.08,126.25) v1(197.06,118.67) v1(197.19,96.35)
